# Altium PCB PCB_Rev1.PcbDoc (continued)
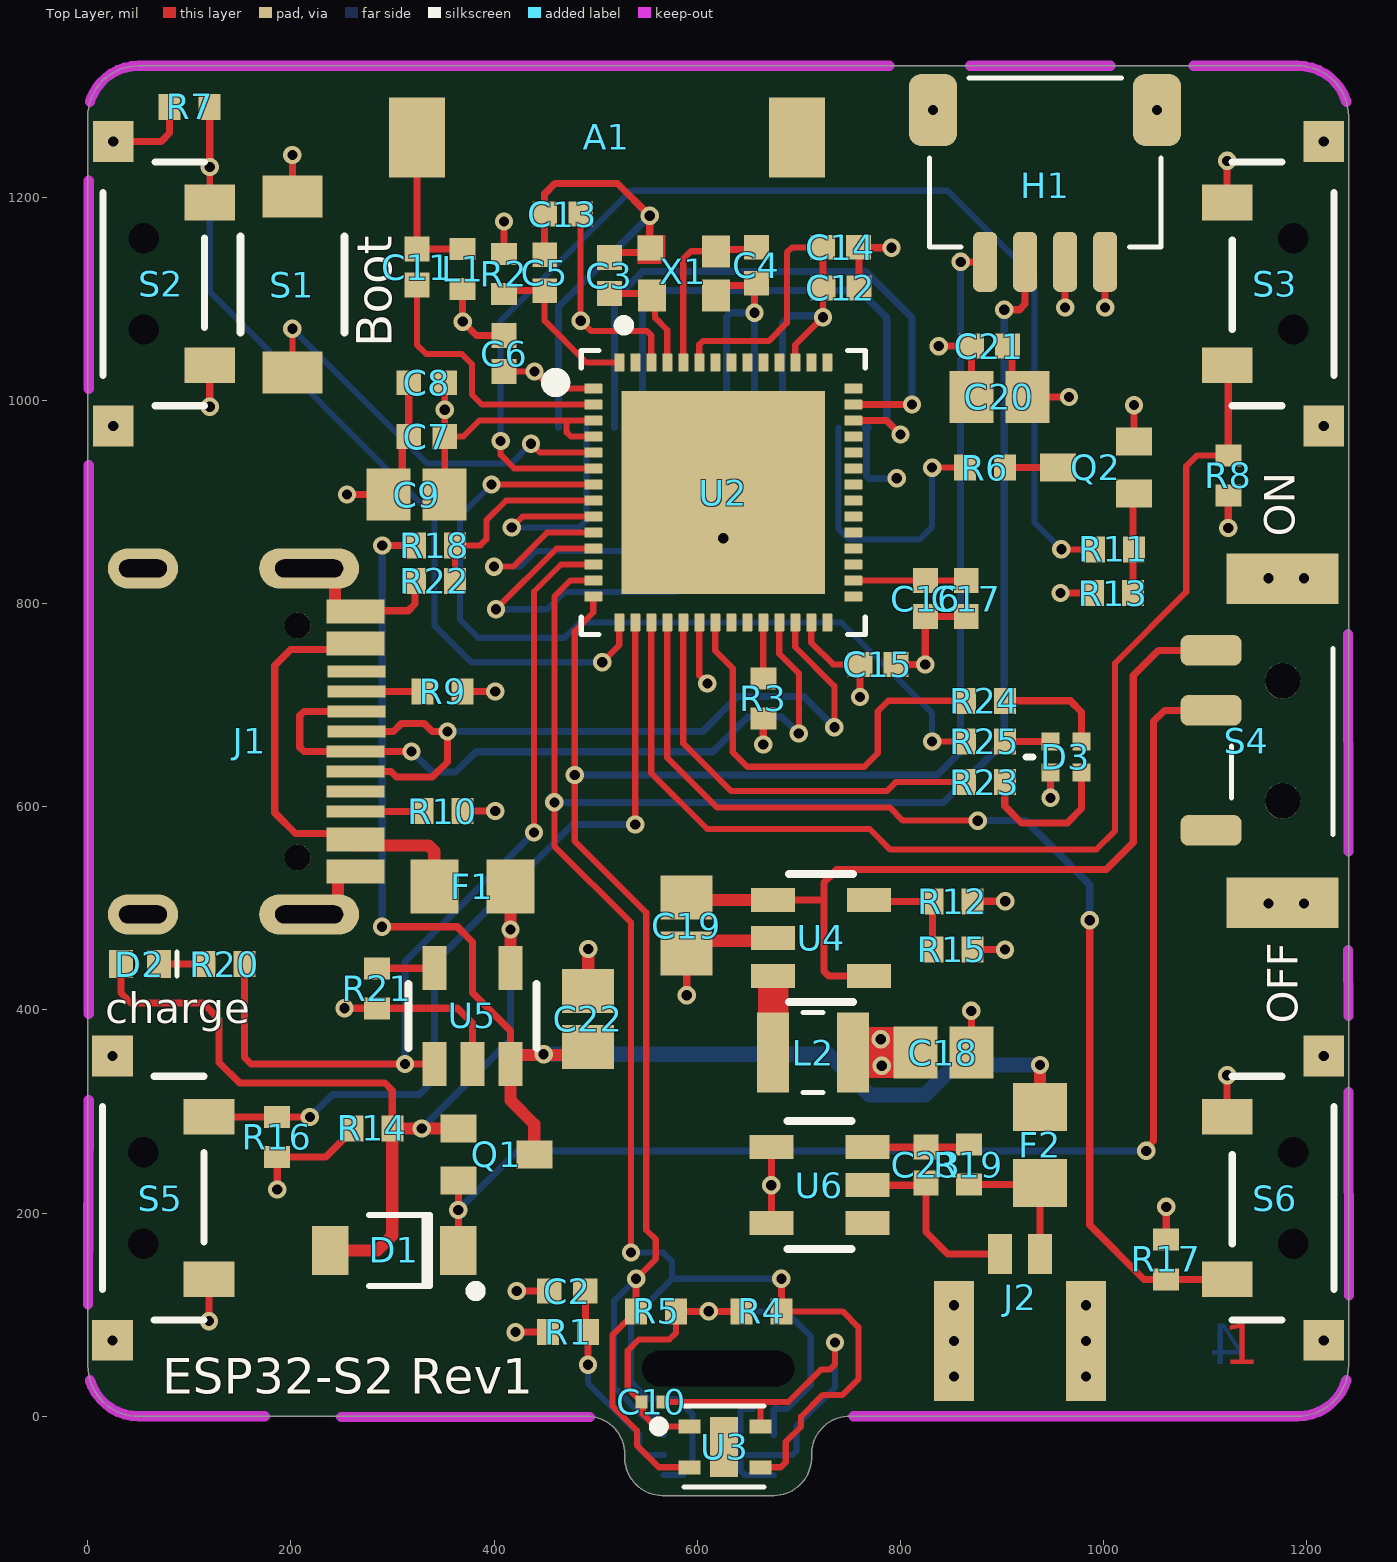
[diagram p0: Top Layer view]
## Footprints (in the part's own frame and the unit in brackets; to place one, negate y for a bottom-side part, rotate by r counter-clockwise, add the part's x,y. Pads: shape width x height; smd on the part's side, far side on the other; paste and mask are expansions set on the pad)
122514 [mil] "DX BUTTON SWITCH R/A"
  rect 35x50 smd: 1(-80,20) 2(80,20)
  rect 40x40 smd: 3(-140,-75) 4(140,-75)
  round 29 hole 30 unplated: ""(-45,-45) ""(45,-45)
  silkscreen extent -120,-85 120,15, body extent -154,-126 154,17, height 134
AN9520-245 [mm] "Antenna Chip"
  rect 2x1.4 smd: 1(0,-4.75) ""(0,4.75)
  body extent -1.05,-4.75 1.05,4.75, height 1.05
CAPC0603X56N [mm] "Chip Capacitor, 2-Leads, Body 0.61x0.3mm, IPC Medium Density (0201 ceramic)"
  rect 0.3x0.32 smd: 1(-0.26,0) 2(0.26,0)
  body extent -0.3,-0.15 0.3,0.15, height 0.3
CAPC1005X56N [mm] "Chip Capacitor, 2-Leads, Body 1.0x0.5mm, IPC Medium Density (0402 ceramic)"
  rect 0.62x0.62 smd: 1(-0.45,0) 2(0.45,0)
  body extent -0.55,-0.3 0.55,0.3, height 0.6
CAPC2012X140N [mm] "Chip Capacitor, 2-Leads, Body 2.0x1.3mm, IPC Medium Density (0805 ceramic)"
  rect 1.1x1.3 smd: 1(-0.7,0) 2(0.7,0)
  body extent -1,-0.62 1,0.63, height 1.24
"DFN-4 (2.0mm X 2.0mm)" [mm] "DFN-4 (2.0mm X 2.0mm)"
  rect 0.55x0.35 smd mask+0.076: 1(-0.889,0.508) 2(-0.889,-0.508) 3(0.889,-0.508) 4(0.889,0.508)
  rect 0.7x1.5 smd paste-0.1 mask+0.076: 7(-0.025,0)
  silkscreen extent -1.78,-1 0.97,1.02, body extent -1.02,-1 0.98,1, height 0.75
FC-B1010RGBT-HG [mm] "LED,RGB,SMD,RoHS"
  rect 0.45x0.45 smd: 1(0.387,0.388) 2(0.387,-0.387) 3(-0.387,-0.387) 4(-0.387,0.388)
  silkscreen extent 0.83,0 1,0, body extent -0.53,-0.55 0.53,0.58, height 0.9
IND_2mmx2mm [mm] "Inductor 2mmx2mm"
  rect 0.8x2 smd: 1(-1,0) 2(1,0)
  silkscreen extent -0.25,-1 0.25,1, body extent -1,-1 1,1, height 1.2
INDC1005X40L [mm] "Chip Inductor, 2-Leads, Body 1.0x0.5mm, IPC Medium Density (0402)"
  rect 0.55x0.65 smd: 1(-0.5,0) 2(0.5,0)
  body extent -0.56,-0.26 0.56,0.26, height 0.65
JST_Micro_2PIN [mm]
  rect 0.6x1 smd: 1(0.5,0) 2(-0.5,0)
  rect 1x3 smd: ""(-1.65,-2.175) ""(1.65,-2.175)
  body extent -1.99,-4.74 2,0.24, height 2.9
K3-1296S-E1 [mil] "Toggle Switches SMD RoHS"
  rrect50% 30x60 smd: 1(89.06,35) 2(30,35) 3(-88.11,35)
  rect 50x110 smd: 4(-159.45,-35.43) 4(159.45,-35.43)
  round 35 hole 35 unplated: ""(-59.06,-35.43) ""(59.06,-35.43)
  silkscreen extent -92,-85 91,15, body extent -157,-149 158,59, height 60
LED1005X40N-Red [mm] "Chip LED 2-Leads, Body 1.0x0.5mm, (0402)"
  rect 0.6x0.7 smd: 1(-0.475,0) 2(0.475,0)
  silkscreen extent -0.92,-0.3 -0.92,0.3, body extent -0.5,-0.3 0.5,0.3, height 0.2
OSC20X16 [mm] "Crystal 2.0mm x 1.60mm 0.5mm height"
  rect 0.7x0.8 smd: 1(-0.783,-0.591) 2(0.817,-0.591) 3(0.817,0.509)
  rect 0.635x0.635 smd: 4(-0.817,0.591)
  Top Layer region: -1.138,0.196 -0.554,0.196 -0.453,0.298 -0.453,0.907 -1.138,0.907
  silkscreen extent -1.61,-1.47 -1.35,-1.21, body extent -1.01,-0.87 1.04,0.78, height 0.4
PTC2012X70L [mm] "Chip Fuse, 2-Leads, Body 2.0x1.3mm, IPC Medium Density (0805)"
  rect 1.2x1.35 smd: 1(-0.95,0) 2(0.95,0)
  body extent -1.07,-0.67 1.08,0.68, height 0.66
"QFN56_0.4mm pitch" [mm] "QFN, 56-Leads, Body 7x7mm, Pitch 0.4mm, IPC Medium Density"
  rrect9% 0.45x0.25 smd: 1(0,0) 2(0,-0.4) 3(0,-0.8) 4(0,-1.2) 5(0,-1.6) 6(0,-2) 7(0,-2.4) 8(0,-2.8) 9(0,-3.2) 10(0,-3.6) 11(0,-4) 12(0,-4.4) 13(0,-4.8) 14(0,-5.2) 29(6.5,-5.2) 30(6.5,-4.8) 31(6.5,-4.4) 32(6.5,-4) 33(6.5,-3.6) 34(6.5,-3.2) 35(6.5,-2.8) 36(6.5,-2.4) 37(6.5,-2) 38(6.5,-1.6) 39(6.5,-1.2) 40(6.5,-0.8) 41(6.5,-0.4) 42(6.5,0)
  rrect9% 0.25x0.45 smd: 15(0.65,-5.85) 16(1.05,-5.85) 17(1.45,-5.85) 18(1.85,-5.85) 19(2.25,-5.85) 20(2.65,-5.85) 21(3.05,-5.85) 22(3.45,-5.85) 23(3.85,-5.85) 24(4.25,-5.85) 25(4.65,-5.85) 26(5.05,-5.85) 27(5.45,-5.85) 28(5.85,-5.85) 43(5.85,0.65) 44(5.45,0.65) 45(5.05,0.65) 46(4.65,0.65) 47(4.25,0.65) 48(3.85,0.65) 49(3.45,0.65) 50(3.05,0.65) 51(2.65,0.65) 52(2.25,0.65) 53(1.85,0.65) 54(1.45,0.65) 55(1.05,0.65) 56(0.65,0.65)
  rect 5.08x5.08 smd paste-4: 57(3.25,-2.6)
  silkscreen extent -1.12,-6.15 6.8,0.95, body extent -0.25,-6.1 6.75,0.9, height 0.8
"RESC1005X40L (0402 FOOTPRINT)" [mm] "Chip Resistor, 2-Leads, Body 1.0x0.5mm, IPC Medium Density (0402)"
  rect 0.55x0.65 smd: 1(-0.5,0) 2(0.5,0)
  body extent -0.57,-0.27 0.58,0.28, height 0.41
SC-70 [mm] "SOT23, 3-Leads, Body 2x1.25mm, Pitch 0.65mm"
  rect 0.9x0.7 smd: 1(-0.95,0.65) 2(-0.95,-0.65) 3(0.95,0)
  body extent -1.2,-1.1 1.2,1.1, height 1
SM04B-SRSS-TB [mm] "CONN HEADER 4POS .100 R/A QWIIC"
  rrect50% 0.6x1.5 smd: 1(1.5,1.9) 2(0.5,1.9) 3(-0.5,1.9) 4(-1.5,1.9)
  rrect50% 1.2x1.8 smd: 5(-2.8,-1.9) 5(2.8,-1.9)
  silkscreen extent -2.9,-2.69 2.9,1.52, body extent -3,-2.69 3,2.26, height 3.25
SOD123 [mil] "Molded Diode, 2-Leads, Body 2.85x1.8mm, IPC Medium Density (SOD123)"
  rect 36x48 smd: 1(-63,0) 2(63,0)
  silkscreen extent -85,-35 25,45, body extent -73,-31 73,31, height 50
SOT95P280X144-5N [mm] "SOT23, 5-Leads, Body 3.1x3.0mm (max), Pitch 0.95mm, IPC Medium Density (RFMD SOT23-5)"
  rect 1.1x0.6 smd: 1(-1.2,0.95) 2(-1.2,0) 3(-1.2,-0.95) 4(1.2,-0.95) 5(1.2,0.95)
  silkscreen extent -0.8,-1.6 0.8,1.6, body extent -1.4,-1.45 1.4,1.45, height 1.45
"TFT_GLASS 1.54 INCH" [mm] "TFT_GLASS 1.54 INCH"
  rect 4x0.3 smd: 1(0,-3.85) 2(0,-3.15) 3(0,-2.45) 4(0,-1.75) 5(0,-1.05) 6(0,-0.35) 7(0,0.35) 8(0,1.05) 9(0,1.75) 10(0,2.45) 11(0,3.15) 12(0,3.85)
  Top Layer lines w0.254: 0,-3.85 0,-3.85
  body extent -9,-15.91 24.73,15.59, height 2
TS-1088R-02526 [mm] "SWITCH TACTILE SPST-NO 0.05A 12V"
  rect 1.05x1.5 smd: 1(-2.2,0) 2(2.2,0)
  silkscreen extent -1.2,-1.3 1.2,1.3, body extent -2.3,-1.5 2.3,1.5, height 2
TYPE-C-31-M-12 [mm] "USB-C Connector"
  oval 1x2.5 hole 0.45 slot 1.7 at 90 deg: 1(-8.65,3.955) 1(0,3.955)
  oval 1x1.75 hole 0.45 slot 1.2 at 90 deg: 1(-8.65,-0.2) 1(0,-0.2)
  rect 0.3x1.45 smd: A1(-7.726,5.119) A4(-6.926,5.117) A5(-5.575,5.142) A6(-4.575,5.142) A7(-4.075,5.117) A8(-3.075,5.117) A9(-1.727,5.117) A12(-0.924,5.117) B1(-1.224,5.117) B4(-2.021,5.117) B5(-2.575,5.117) B6(-3.575,5.117) B7(-5.075,5.142) B8(-6.075,5.142) B9(-6.626,5.117) B12(-7.426,5.119)
  round 0.65 hole 0.65 unplated: ""(-7.225,3.667) ""(-1.425,3.667)
  body extent -8.82,-1.89 0.12,5.01, height 3.31
WSOF-6 [mm] "WSOF-6"
  rect 0.55x0.25 smd: 1(-1.375,0.5) 2(-1.375,0) 3(-1.375,-0.5) 4(1.375,-0.5) 5(1.375,0) 6(1.375,0.5)
  silkscreen extent -2.2,-0.8 0.78,0.8, body extent -1.5,-0.8 1.5,0.8, height 0.75

## Part data
A1: "Antenna Chip 2.4Gig", LCSC_Part_Number=C99665, Manufacturer=Rainsun, Man_Part_Number=AN9520-245, Vendor=LCSC
C1 C10: library part CAP_0201, "CAP 0.1uF 0201", PartFootprint=0402, Vendor=LCSC
C2 C8 C14: library part CAP_0402, "CAP 1uF 0402", Part_Footprint=0402, Vendor=LCSC
C3 C4: library part CAP_0402, "CAP 10pF 0402", Part_Footprint=0402, Vendor=LCSC
C5: library part CAP_0402, "CAP 0.1uF 0402", LCSC_Part_Number=C344190, Manufacturer=CCTC, Man_Part_Number=TCC0402X5R104M160AT, Vendor=LCSC
C6 C7 C12 C13 C15 C16 C17 C21 C23: library part CAP_0402, "CAP 0.1uF 0402", Part_Footprint=0402, Vendor=LCSC
C9 C18 C19: library part CAP_0805, "CAP 10uF 0805"
C11: library part CAP_0402, "CAP 2.5pF 0402", Part_Footprint=0402, Vendor=LCSC
C20: library part CAP_0805, "CAP 10uF 0805", LCSC_Part_Number=C307520, Manufacturer=Samsung, Man_Part_Number=CL21A106KOQNNNG, Vendor=LCSC
C22: library part CAP_0805, "CAP 10uF 0805", Manufacturer=Samsung, PartNumber=C307520, Vendor=LCSC
D1: library part MBR0520-TP, "DIODE SCHOTTKY 20V 500MA SOD123", LCSC_Part_Number=C475717, Manufacturer=CJ, Man_Part_Number=MBR0520, Vendor=LCSC
D2: library part LED_0402_SMALL_Red, "LED Red 0402", Manufacturer=Lite-On, Part_Footprint=0402, Part_Number=C364556, Vendor=LCSC
D3: library part FC-B1010RGBT-HG, "LED,RGB LED,SMD,RoHS", LCSC_Part_Number=C158099, Manufacturer=Foshan, Man_Part_Number=FC-B1010RGBT-HG, Vendor=LCSC
F1 F2: library part PTC_FUSE, "PTC FUSE 500mA hold, 1A trip 0805 SMD", LCSC_Part_Number=C261942, Manufacturer=TLC, Man_Part_Number=TLC-PSMD050, Vendor=LCSC
H1: library part SM04B-SRSS-TB, "CONN HEADER 4POS .100 R/A QWIIC", LCSC_Part_Number=C160404, Manufacturer=JST, PartNumber=SM04B-SRSS-TB(LF)(SN), Man_Part_Number=SM04B-SRSS-TB(LF)(SN), Vendor=LCSC
J1: "CONN RECPT USB-C", Manufacturer=KHE, Part_Footprint=SMT, Part_Number=C165948, Vendor=LCSC
J2: library part JST_Micro_CONN_2PIN, "JST MIcro CONN 2POS"
L1: library part Inductor, "Inductor 4.7nH 0402"
L2: library part Inductor, "Inductor"
Q1: "MOSFET P-CH 20V 1.4A SC-70", LCSC_Part_Number=C172434, Manufacturer=LRC, Man_Part_Number=LP1480WT1G, Part_Footprint=SC-70, Vendor=LCSC
Q2: "TRANSISTOR NPN GP 40V SC-70", LCSC_Part_Number=C54879, Manufacturer=Changjiang, Man_Part_Number=MMST3904, Part_Footprint=SC-70, Vendor=LCSC
R1: library part RES_0402, "RES 1K 0402", Part_Footprint=0402, Vendor=LCSC
R2 R3 R7 R8 R13 R16 R17: library part RES_0402, "RES 10K 0402", LCSC_Part_Number=C258091, Manufacturer=Guangdong, Man_Part_Number=RC-02W1002FT, Vendor=LCSC
  R7 R8 R16 R17: Part_Footprint=0402
R4 R5: library part RES_0402, "RES 4.7K 0402", LCSC_Part_Number=C25900, Manufacturer=Uni-Royal, Man_Part_Number=0402WGF4701TCE, Vendor=LCSC
R6: library part RES_0402, "RES 22R 0402", LCSC_Part_Number=C25092, Manufacturer=Uniroyal, Man_Part_Number=0402WGF220JTCE, Vendor=LCSC
R9 R10: library part RES_0402, "RES 5.1K 0402", Part_Footprint=0402, Vendor=LCSC
R11 R23 R24 R25: library part RES_0402, "RES 1K 0402", LCSC_Part_Number=C106235, Manufacturer=Yageo, Man_Part_Number=RC0402FR-071KL, Vendor=LCSC
R12: library part RES_0402, "RES 90K 0402"
R14: library part RES_0402, "RES 100K 0402", Part_Footprint=0402, Vendor=LCSC
R15: library part RES_0402, "RES 20K 0402"
R18 R22: library part RES_0603, "RES 100K 0402", LCSC_Part_Number=C25741, Manufacturer="Uniroyal Elec", Man_Part_Number=0402WGF1003TCE, Vendor=LCSC
R19: library part RES_0402, "RES 100R 0402", Part_Footprint=0402, Vendor=LCSC
R20 R21: library part RES_0402, "RES 4.7K 0402", Part_Footprint=0402, Vendor=LCSC
S1: library part TS-1088R-02526, "Tactile Micro Switch", Manufacturer=XUNPU, Part_Footprint=SMD, Part_Number=C455281, Vendor=LCSC
S2 S3 S5 S6: library part "Side Actuated Button R/A", "Side Actuated Button R/A", LCSC_Part_Number=C319377, Manufacturer=HYP, Man_Part_Number=1TS002G-2300-3500-CT, Vendor=LCSC
S4: library part K3-1296S-E1, "SWITCH SLIDE SMD", LCSC_Part_Number=C128955, Manufacturer="Korean Hroparts Elec", Man_Part_Number=K3-1296S-E1, Vendor=LCSC
U1: "Optical Sensor Ambient I2C 6-SMD", Manufacturer=Rohm, Part_Footprint=6WSOF, Part_Number=C78960, Vendor=LCSC
U2: "WIFI/Bluetooth, QFN-56 7x7", Manufacturer=Espressif, Part_Footprint=QFN56, Part_Number=C529594, Vendor=LCSC
U3: "Humidity/Temperature Sensor", Manufacturer=Sensirion, Part_Number=SHTC3, Vendor=LCSC
U4: "IC DC SWITCHING REG 1A SOT23-5", Manufacturer=Richtek, PartNumber=RT8096CHGJ5, Vendor=LCSC
U5: "Charger IC Lithium-Ion/Polymer SOT23-5", LCSC_Part_Number=C424093, Manufacturer=Microchip, Man_Part_Number=MCP73831T-2ACI/OT, Part_Footprint=SOT-23-5L, Vendor=LCSC
U6: "IC Battery Protection", LCSC_Part_Number=C80628, Manufacturer=XySemi, Man_Part_Number=XB5353A, Part_Footprint=SOT23-5, Vendor=LCSC
X1: library part 40Mhz, "CRYSTAL 40MHZ 10PF SMD", Manufacturer=ECS, Part_Number=ECS-400-10-37B2-CKM, Vendor=Digi-Key
X2: library part "TFT_GLASS 1.54 INCH COLOR", "1.54 INCH TFT GLASS COLOR", Manufacturer=BuyDisplay, Man_Part_Number=ER-TFT1.54-1, Vendor=BuyDisplay

## Free pads (board coordinates)
  round 10 hole 35 slot 150 at 0 deg unplated: ""(620.5,47)

## Via types
v1: diameter 18, hole 10, Top Layer to Bottom Layer, tented both sides, 106 vias

## Nets (pads, with @x,y where several pads share a name; then routed paths per layer and width w, separated by ;. In a path a pad name is that pad's centre, name@x,y a point inside that pad or via, vN(x,y) a via of type N, cw(c..) or ccw(c..) an arc to the next point about the centre after c; other vN are vias at no path point)
+3.3V: C1.1 C6.1 C7.1 C8.1 C9.1 C10.1 C12.1 C13.1 C14.1 C15.1 C18.1 C20.1 C21.1 D3.1 H1.3 L2.2 R1.1 R2.1 R3.1 R4.2 R5.2 R12.2 S2.2 S3.2 S5.2 S6.2 U1.1 U2.1 U2.3 U2.4 U2.20 U2.27 U2.45 U2.51 U2.54 U3.1 X2.3 X2.4 | length 2369.6
  Top Layer w6: C9.1 C7.1 ; C8.1 v1(351.32,990.76) C7.1 ; C6.1@410.57,1028.31 v1(439.68,1028.31) 456.41,1011.59 U2.1 ; C13.1 v1(485.12,1078.31) 495.12,1068.31 550.12,1068.31 554.58,1063.84 U2.54 ; U2.4 475.42,964.34 471.32,968.44 471.32,980.09 ; U2.3 471.32,980.09 ; C10.1@541.88,17.17 531.48,27.57 531.48,64.67 542.53,75.71 572.53,75.71 579.06,82.24 R5.2 ; C10.1@542.08,17.36 544.06,15.38 C10.1@544.06,14.99 ; C10.1 C10.1@544.06,14.99 ; U3.1 558.68,-10.18 546.18,2.33 546.18,12.87 C10.1@544.06,14.99 ; U2.20 601.83,729.26 v1(609.82,721.27) ; U2.51 601.83,1054.81 605.34,1058.33 670.14,1058.33 688.14,1076.33 688.14,1145.55 693.14,1150.55 C14.1 ; U2.45 696.32,1054.51 v1(723.58,1081.76) C12.1 ; U2.27 712.06,761.43 733.49,740 C15.1 ; C7.1 369.67,964.34 385.42,980.09 471.32,980.09
  Top Layer w7: v1(119.35,93.67) S5.2@119.35,124.67 ; v1(120,993.67) S2.2@120,1024.67 ; R2.1@409.72,1143.78 v1(409.72,1175.88) ; v1(420.89,82.82) R1.1 ; R5.2 v1(611.15,103.31) R4.2 ; v1(664.82,661.27) R3.1 ; C14.1 723.58,1150.12 C12.1 ; v1(760,707.9) C15.1 ; v1(837.59,1053.31) C21.1 C20.1 ; R12.2 v1(903.01,506.89) ; v1(947.53,608.71) D3.1 ; v1(961.95,1091.23) H1.3 ; S6.2@1121.45,304.67 v1(1121.45,335.67) ; S3.2@1121.45,1204.67 v1(1121.45,1235.67)
  Bottom Layer w6: v1(611.15,103.31) 686.93,103.31 711.53,78.71 711.53,30.61 687.98,7.07 C1.1@675.13,7.07 ; U1.1 C1.1@675.13,7.07 ; C1.1@676.95,9.03 C1.1 C1.1@675.13,7.07
  Bottom Layer w7: X2.3 711.18,973.07 711.18,883.19 706.18,878.19 687.84,878.19 683.74,882.29 X2.4 683.74,1075.75 691.18,1083.19 722.15,1083.19 v1(723.58,1081.76)
  other v1: 781.48,345.02 780.48,371.02
+3.3V_VDD_SPI: C16.1 C17.1 U2.30 | length 111.2
  Top Layer w6: U2.30 C16.1 C17.1
BLUE: R23.2 U2.19 | length 432.2
  Top Layer w6: U2.19 586.08,662.38 633.19,615.27 786.19,615.27 795.14,624.22 R23.2 863.16,622.25 R23.2@855.33,614.43
BUTTON_1: R7.1 S2.1 U2.15 | length 864.1
  Top Layer w6: S2.1 v1(120,1229.67) ; v1(506.32,742.18) 523.09,758.95 U2.15
  Top Layer w7: R7.1 120,1288.71 v1(120,1229.67)
  Bottom Layer w6: v1(120,1229.67) 120,1106.72 341.2,885.52 341.2,778.48 377.5,742.18 v1(506.32,742.18)
  Bottom Layer w7: v1(506.32,742.18) v1@507.21,742.18
BUTTON_2: R8.1 S3.1 U2.17 | length 1166.3
  Top Layer w6: U2.17 554.58,632.92 609.48,578.02 769.48,578.02 789.48,558.02 992.8,558.02 1011.2,576.42 1011.2,741.42 1081.2,811.42 1081.2,935.17 1091.87,945.84 R8.1
  Top Layer w7: S3.1 1122.5,1033.62 R8.1
BUTTON_3: R16.1 S5.1 U2.16 | length 804.7
  Top Layer w6: v1(538.84,582.37) U2.16
  Top Layer w7: S5.1 R16.1 v1(218.54,294.67)
  Bottom Layer w7: v1(218.54,294.67) 240.7,316.83 326.2,316.83 341.2,331.83 341.2,446.42 477.16,582.37 v1(538.84,582.37)
BUTTON_4: R17.1 S6.1 U2.18 | length 1093.2
  Top Layer w6: U2.18 570.33,648.13 619.19,599.27 789.19,599.27 802.24,586.22 v1(876,586.22)
  Top Layer w7: v1(986.18,488.19) 986.18,188.19 1039.7,134.67 R17.1 S6.1
  Bottom Layer w7: v1(876,586.22) 923.15,586.22 986.18,523.19 v1(986.18,488.19)
CHG: R20.1 U2.12 U5.1 | length 859.6
  Top Layer w6: v1(439.19,574.67) 439.19,811.79 465.76,838.36 U2.12
  Top Layer w7: R20.1@154.19,436.27 154.19,353.12 160.48,346.83 v1(312.2,346.83) U5.1
  Bottom Layer w7: v1(312.2,346.83) 312.2,447.67 v1(439.19,574.67)
D+: J1.A6 J1.B6 U2.26 | length 751.5
  Top Layer w6: U2.26 696.32,757.18 734.82,718.67 v1(734.82,678.11)
  Top Layer w7: J1.B6 298.35,634.7 303.98,629.07 338.98,629.07 353.98,644.07 v1(353.98,674.07) 338.98,674.07 330.98,682.07 308.98,682.07 300.98,674.07 J1.A6
  Bottom Layer w7: v1(353.98,674.07) 605.29,674.07 639.53,708.31 704.63,708.31 v1(734.82,678.11)
D-: J1.A7 J1.B7 U2.25 | length 736.5
  Top Layer w6: U2.25 680.57,750.52 699.82,731.27 v1(699.82,672.04)
  Top Layer w7: J1.B7 212.77,693.75 208.67,689.65 208.67,658.48 212.77,654.38 J1.A7 v1(318.67,654.38)
  Bottom Layer w7: v1(318.67,654.38) 338.98,634.07 361.98,634.07 381.98,654.07 615.29,654.07 649.53,688.31 683.32,688.31 699.59,672.04 v1(699.82,672.04)
DC: U2.11 X2.7 | length 475.9
  Top Layer w6: v1(401.75,794.35) 461.5,854.1 U2.11
  Bottom Layer w6: v1(401.75,794.35) 452.27,794.35 469.19,811.27 579.19,811.27 601.06,833.14 X2.7
GND: C1.2 C2.2 C3.2 C4.2 C5.2 C6.2 C7.2 C8.2 C9.2 C10.2 C12.2 C13.2 C14.2 C15.2 C16.2 C17.2 C18.2 C19.2 C20.2 C21.2 C22.2 H1.4 H1.5 J1.1 J1.A1 J1.A12 J1.B1 J1.B12 J2. L1.2 Q2.2 R7.2 R8.2 R9.1 R10.1 R13.2 R14.2 R15.1 R16.2 R17.2 R21.2 R22.2 S1.2 S2.3 S2.4 S3.3 S3.4 S4.4 S5.3 S5.4 S6.3 S6.4 U1.2 U1.3 U2.57 U3.4 U4.2 U5.2 U6.4 U6.5 X1.2 X1.4 X2.1 X2.5 X2.6 X2.12 | length 3063.7
  Top Layer w6: C10.2 661.98,14.07 ; U3.4 661.98,14.07 ; v1@733.85,71.03 v1(735.53,72.71) 735.53,51.07 730.48,46.02 721.48,46.02 689.53,14.07 661.98,14.07
  Top Layer w7: v1(25,1254.67) 72.26,1254.67 80.54,1262.95 R7.2 ; v1(186.45,223.21) R16.2 234.28,255.3 260.31,281.34 R14.2 ; S1.2@201.32,1210.4 v1(201.32,1241.4) ; v1(252.73,401.58) R21.2 363.84,401.58 378.6,386.83 U5.2@378.6,356.83 ; v1(255.2,907.18) C9.2@286.2,907.18 ; J1.A1@266.48,792.82 315.41,792.82 321.95,799.36 R22.2 ; C9.2 309.48,920.46 309.48,957.94 C7.2 C8.2@315.88,1012.18 ; R10.1 v1(400.98,595.7) ; R9.1 v1(401.08,713.44) ; L1.2 v1(368.99,1077.41) ; v1@373.2,1077.41 v1(368.99,1077.41) ; C6.2 382.67,1063.74 v1(368.99,1077.41) ; v1(422.16,123.31) C2.2 ; C5.2 C13.2 449.68,1203.31 459.68,1213.31 521.39,1213.31 v1(553.14,1181.55) X1.4@553.14,1151.55 ; C3.2@516.38,1145.55 X1.4@553.5,1145.55 ; v1(589.48,414.46) C19.2@589.48,445.46 ; X1.2@613.5,1105 621.38,1112.87 C4.2@658.14,1112.87 ; v1(656.18,1086.19) 656.18,1110.91 C4.2@658.14,1112.87 ; C4.2 C4.2@658.14,1112.87 ; U6.5 v1(672.76,227.45) U6.4 ; C14.2 C14.2@759.01,1150.12 ; C12.2 C14.2@759.01,1150.12 ; v1(791.1,1150.12) C14.2@759.01,1150.12 ; C15.2@797.45,742.02 C15.2 v1(824.32,740) 824.32,786.86 C16.2 C17.2 ; C18.2@869.6,368.02 v1(869.6,399.02) ; R15.1 v1(902.72,459.33) ; C21.2 909.8,1048.62 909.8,1004.31 C20.2@911.8,1002.31 ; C20.2@934.8,1003.31 v1(965.8,1003.31) ; v1(957.32,810.31) R13.2 ; v1(1001.32,1091.23) H1.4 ; Q2.2 v1(1029.68,995.24) ; R17.2 v1(1061.45,206.14) ; v1(1122.5,874.37) R8.2
  Top Layer w12: J1.A1@243.39,792.22 J1.1@243.39,833.54 ; J1.1@246.39,494.54 J1.B1@246.39,536.54 ; C22.2@492.53,428.83 v1(492.53,459.83) ; C19.2@602.95,468.02 U4.2@674.48,468.02
  Top Layer w20: J1.B1@246.39,536.54 J1.B1@271.39,536.54 ; J1.A1@253.98,792.82 J1.A1@266.48,792.82
  Bottom Layer w6: 644.24,-38 U1.2 693.43,-38 697.53,-33.9 697.53,-9.39 735.53,28.61 v1(735.53,72.71) ; C1.2 643.98,7.07 642.53,5.61 642.53,-53.58 646.63,-57.68 U1.3
  Bottom Layer w7: X2.12 463.27,1091.68 v1(553.14,1181.55) ; X2.6 628.62,1082.09 632.72,1086.19 v1(656.18,1086.19) X2.5 ; X2.1 766.42,925.6 768.82,923.19 v1(796.18,923.19)
  other v1: 852.61,39.22 982.53,39.22 24.35,74.67 852.61,74.22 982.53,74.22 1216.45,74.67 852.61,109.22 982.53,109.22 24.35,354.67 1216.45,354.67 1161.98,504.82 1196.98,504.82 1161.98,824.82 1196.98,824.82 625.45,864.22 25,974.67 1216.45,974.67 1216.45,1254.67 832.03,1285.84 1052.5,1285.84
GPIO0: S1.1 U2.5 | length 397.9
  Top Layer w6: S1.1@201.32,1037.18 v1(201.32,1070.4) ; v1@437.25,957.18 v1(436.32,957.18) 444.9,948.59 U2.5
  Bottom Layer w6: v1(201.32,1070.4) 334.05,937.67 416.81,937.67 v1@434.69,955.55 ; v1@436.32,953.93 v1(436.32,957.18)
GPIO3: R18.2 R22.1 U2.8 | length 200.5
  Top Layer w6: R22.1 R18.2 386.32,857.18 392.25,863.11 392.25,881.92 411.68,901.35 U2.8
GPIO18: R3.2 U2.24 | length 55
  Top Layer w6: R3.2 U2.24
GREEN: R24.2 U2.21 | length 420
  Top Layer w6: U2.21 617.58,753.51 634.82,736.27 634.82,653.64 649.19,639.27 764.19,639.27 777.53,652.61 777.53,693.71 788.04,704.22 R24.2
LCD_BL: R11.1 U2.6 | length 1153.2
  Top Layer w6: v1(406.32,959.85) 406.32,946.19 419.66,932.84 U2.6 ; v1(958.22,853.31) R11.1
  Bottom Layer w6: v1(406.32,959.85) 406.32,1078.33 534.22,1206.23 846.32,1206.23 931.98,1120.56 931.98,879.54 v1(958.22,853.31)
NetA1_1: A1.1 C11.1 L1.1 | length 155
  Top Layer w7: A1.1 C11.1 L1.1
NetC2_1: C2.1 R1.2 U1.5 | length 202
  Top Layer w7: R1.2@489.68,83.31 C2.1 ; v1(492.35,50.73) R1.2
  Bottom Layer w6: v1(492.35,50.73) 492.35,32.15 542.53,-18.02 542.53,-31.29 549.24,-38 U1.5
NetC5_1: C5.1 R2.2 U2.56 | length 161.5
  Top Layer w6: C5.1 449.68,1078.31 490.82,1037.18 U2.56
  Top Layer w7: R2.2 412.75,1107.87 C5.1
NetC11_2: C11.2 U2.2 | length 274.2
  Top Layer w6: C11.2 323.99,1054.7 333.14,1045.55 368.14,1045.55 378.14,1035.55 378.14,1005.55 387.86,995.84 U2.2
NetC19_1: C19.1 S4.1 U4.1 U4.4 | length 846.8
  Top Layer w7: C19.1 C19.1@603.17,524.27 ; U4.1 724.48,508.02 ; U4.4 729.29,433.22 724.48,438.02 724.48,508.02 ; S4.1 1053.66,753.88 1028.98,729.2 1028.98,564.62 1002.39,538.02 737.19,538.02 731.2,532.03 727.84,528.67 724.48,525.31 724.48,508.02
  Top Layer w12: C19.1@602.95,508.02 U4.1
NetC23_1: C23.1 R19.2 U6.3 | length 101.1
  Top Layer w7: U6.3 864.65,264.85 R19.2
NetC23_2: C23.2 J2.2 U6.2 | length 188.9
  Top Layer w7: U6.2 822.73,227.45 C23.2 825.01,181.23 846.39,159.85 J2.2
NetD1_1: D1.1 Q1.2 S4.2 | length 1256.9
  Top Layer w7: D1.1 v1(364.68,203.13) Q1.2 ; v1(1041.83,261.22) 1041.83,263.67 1048.98,270.82 1048.98,684.07 1059.74,694.82 S4.2
  Bottom Layer w7: v1(364.68,203.13) 422.78,261.22 v1(1041.83,261.22)
NetD2_1: D2.1 R20.2 | length 45
  Top Layer w7: D2.1 R20.2
NetD3_2: D3.2 R25.1 | length 45
  Top Layer w7: R25.1 D3.2
NetD3_3: D3.3 R24.1 | length 109.1
  Top Layer w7: R24.1 967.02,704.22 978.04,693.2 D3.3
NetD3_4: D3.4 R23.1 | length 147.4
  Top Layer w7: R23.1 902.53,600.52 918.98,584.07 963.98,584.07 978.04,598.12 D3.4
NetF1_2: F1.2 J1.A4 J1.A9 J1.B4 J1.B9 | length 484
  Top Layer w7: J1.B4 246.98,573.52 204.53,573.52 183.98,594.07 183.98,739.07 199.74,754.82 245.98,754.82 J1.B9
  Top Layer w12: J1.A9 271.98,561.92 335.39,561.92 341,556.31 F1.2
  Top Layer w20: J1.A4@245.98,760.82 J1.A4@270.98,760.82 ; J1.B4@246.98,567.82 263.63,567.82 J1.B4@271.98,567.82
NetF2_1: F2.1 J2.1 R19.1 | length 154.9
  Top Layer w7: R19.1 925.48,228.08 937.25,239.85 J2.1
NetJ1_A5: J1.A5 R9.2 | length 119.1
  Top Layer w7: 318.75,713.44 J1.A5 R9.2
NetJ1_B5: J1.B5 R10.2 | length 120.2
  Top Layer w7: 317.76,595.33 J1.B5 329.14,595.33 R10.2
NetL2_1: L2.1 U4.3
NetQ2_1: Q2.1 R11.2 R13.1 | length 98.4
  Top Layer w7: R13.1 1028.79,907.41 Q2.1
NetQ2_3: Q2.3 R6.2 | length 52.4
  Top Layer w7: R6.2 902.71,933.9 Q2.3
NetR6_1: R6.1 X2.2 | length 292
  Top Layer w6: v1(831.06,933.71) R6.1
  Bottom Layer w6: X2.2 738.86,873.45 749.48,862.82 818.57,862.82 831.06,875.32 v1(831.06,933.71)
NetR12_1: R12.1 R15.2 U4.5 | length 110.6
  Top Layer w7: U4.5 770.4,506.6 R12.1@831.26,506.6 ; R15.2 R12.1@831.26,506.6 ; R12.1 R12.1@831.26,506.6
NetR21_1: R21.1 U5.5 | length 56.5
  Top Layer w7: R21.1 340.83,440.95 U5.5
RED: R25.2 U2.7 | length 821.2
  Top Layer w6: v1(397.43,917.1) U2.7 ; v1(831.06,664.22) R25.2
  Bottom Layer w6: v1(397.43,917.1) 366.2,885.87 366.2,784.26 384.19,766.27 469.19,766.27 484.19,781.27 741.76,781.27 831.06,691.96 v1(831.06,664.22)
RST: U2.9 X2.11 | length 252.7
  Top Layer w6: v1(417.25,874.85) 428,885.6 U2.9
  Bottom Layer w6: v1(417.25,874.85) 484.22,874.85 490.83,881.46 X2.11
SCL: H1.1 R5.1 U1.6 U2.14 U3.2 | length 2050.4
  Top Layer w6: U2.14 497.5,791.12 479.26,772.88 479.26,566.2 549.68,495.78 549.68,183.36 558.98,174.07 558.98,154.7 v1(539.68,135.4) ; R5.1 516.48,80.11 516.48,10.02 540.48,-13.98 540.48,-28.68 561.98,-50.18 U3.2
  Top Layer w7: R5.1 v1(539.68,135.4) ; v1(859.15,1136.23) H1.1
  Bottom Layer w6: v1(539.68,135.4) 517.98,113.7 517.98,28.52 547.79,-1.29 561.2,-1.29 566.87,-6.95 U1.6
  Bottom Layer w7: v1(479.26,631.2) 836.12,631.2 859.15,654.23 v1(859.15,1136.23)
SDA: H1.2 R4.1 U1.4 U2.13 U3.3 | length 2437.3
  Top Layer w6: U2.13 475.01,822.61 459.19,806.79 459.19,561.27 534.68,485.78 v1(534.68,161.22) ; U3.3 681.98,-50.18 686.98,-45.18 686.98,-25.18 701.98,-10.18 701.98,-0.48 723.53,21.07 742.98,21.07 758.53,36.61 758.53,87.71 742.93,103.31 R4.1
  Top Layer w7: R4.1 v1(682.62,135.4) ; v1(901.98,1089.07) 916.98,1089.07 922.58,1094.66 H1.2
  Bottom Layer w6: v1(534.68,161.22) 566,161.22 575.18,152.03 575.18,135.4 ; U1.4 586.13,-57.68 594.98,-48.83 594.98,2.07 579.98,17.07 551.44,17.07 534.48,34.02 534.48,94.7 575.18,135.4 ; v1(682.62,135.4) 575.18,135.4
  Bottom Layer w7: v1(459.19,604.27) 842.26,604.27 901.98,663.99 v1(901.98,1089.07)
SPI_CLK: U2.40 X2.9 | length 549.5
  Top Layer w7: U2.40 786,980.09 v1(799.82,966.27)
  Bottom Layer w7: X2.9 545.95,1091.58 562.56,1108.19 759.36,1108.19 786.32,1081.23 786.32,979.77 v1(799.82,966.27)
SPI_MOSI: U2.41 X2.10 | length 592.5
  Top Layer w7: U2.41 v1(811.32,995.84)
  Bottom Layer w7: X2.10 518.39,1099.02 546.2,1126.83 765.72,1126.83 811.32,1081.23 v1(811.32,995.84)
TFT_CS: U2.10 X2.8 | length 405.9
  Top Layer w6: v1(399.82,836.27) 418.67,836.27 452.25,869.85 U2.10
  Bottom Layer w6: v1(399.82,836.27) 425.64,836.27 441.2,851.83 561.2,851.83 573.5,864.14 X2.8
VBAT: C22.1 F2.2 Q1.3 R18.1 U5.3 | length 1381.8
  Top Layer w7: v1(289.6,481.83) 363.6,481.83 378.6,466.83 378.6,416.83 416,379.43 U5.3@416,347.39 ; v1(289.85,857.18) R18.1 ; U5.3 U5.3@416,347.39 ; U5.3@424.31,355.7 U5.3@416,347.39 ; C22.1@484.51,355.7 C22.1 ; F2.2@927.9,305.31 F2.2@937.25,314.66
  Top Layer w12: U5.3 416,310.99 439.49,287.5 Q1.3 ; U5.3@424.31,355.7 C22.1@484.51,355.7 ; F2.2@937.25,314.66 v1(937.25,345.66)
  Bottom Layer w7: v1@289.85,481.83 v1(289.85,857.18)
  Bottom Layer w15: v1(448.68,356.31) 729.15,356.31 769.19,316.27 824.19,316.27 853.58,345.66 v1(937.25,345.66)
VUSB: D1.2 D2.2 F1.1 Q1.1 R14.1 U5.4 | length 947
  Top Layer w7: D2.2 32.6,416.77 42.62,406.75 113.25,406.75 129.19,390.81 129.19,348.31 149.48,328.02 292.44,328.02 299.68,320.78 R14.1 ; F1.1 F1.1@416,521.12
  Top Layer w12: D1.2 284.97,163.31 299.68,178.03 R14.1 v1(328.68,283.31) Q1.1 ; U5.4 v1(416,479.22) F1.1@416,521.12
  Bottom Layer w7: v1(328.68,283.31) 416,370.62 v1(416,479.22)
XTAL_N: C4.1 U2.52 X1.3 | length 178.2
  Top Layer w6: U2.52 586.08,1139.2 593.56,1146.68 X1.3@611.87,1146.68
  Top Layer w7: X1.3@611.87,1146.68 613.5,1148.31 C4.1@658.5,1148.31
XTAL_P: C3.1 U2.53 X1.1 | length 119.9
  Top Layer w6: X1.1@558.38,1105 558.38,1081.12 570.33,1069.17 U2.53
  Top Layer w7: C3.1 558.38,1105 X1.1@559.88,1103.5
pads on no net: A1. J1. J1.A8 J1.B8 S2. S3. S4. S4.3 S5. S6. U2.22 U2.23 U2.28 U2.29 U2.31 U2.32 U2.33 U2.34 U2.35 U2.36 U2.37 U2.38 U2.39 U2.42 U2.43 U2.44 U2.46 U2.47 U2.48 U2.49 U2.50 U2.55 U3.7 U6.1

## Polygon pours and split planes (outlines as drawn)
GND on Layer 1 (split plane): 1195.69,1308.85 1200.27,1307.75 1204.62,1305.95 1208.63,1303.49 1212.21,1300.43 1215.27,1296.85 1217.72,1292.84 1219.53,1288.49 1220.62,1283.91 1220.94,1279.87 1220.9,1279.5 1220.9,1279.27 1220.91,1279.25 1220.9,1279.22 1220.9,50.43 1220.91,50.39 1220.96,49.87 1220.62,45.58 1219.51,40.96 1217.69,36.56 1215.2,32.5 1212.11,28.89 1208.5,25.8 1204.44,23.31 1200.04,21.49 1195.42,20.38 1191.31,20.06 1190.89,20.1 747.5,20.1 746.01,19.95 743.54,19.81 737.17,18.73 730.95,16.94 724.98,14.46 719.32,11.33 714.04,7.59 710,3.98 710,75 525,75 525,8.98 521.68,11.33 516.02,14.46 510.05,16.94 503.83,18.73 497.46,19.81 495,19.95 493.5,20.1 50.1,20.1 49.55,20.04 45.31,20.38 40.73,21.48 36.38,23.28 32.37,25.74 28.79,28.79 25.74,32.37 23.28,36.38 21.48,40.73 20.38,45.31 20.06,49.37 20.1,49.78 20.1,1279.12 20.04,1279.67 20.38,1283.92 21.48,1288.49 23.28,1292.84 25.74,1296.85 28.79,1300.43 32.37,1303.49 36.38,1305.95 40.73,1307.75 45.31,1308.85 49.36,1309.17 49.75,1309.13 49.98,1309.13 49.99,1309.13 50,1309.13 261.32,1309.13 261.32,1197.18 261.32,1040.13 371.32,1040.13 371.32,1197.18 766.32,1197.18 766.32,1309.13 1190.9,1309.13 1190.94,1309.13 1191.45,1309.18
+3.3V on Layer 2 (split plane): 1195.69,1308.85 1200.27,1307.75 1204.62,1305.95 1208.63,1303.49 1212.21,1300.43 1215.27,1296.85 1217.72,1292.84 1219.53,1288.49 1220.62,1283.91 1220.94,1279.87 1220.9,1279.5 1220.9,1279.27 1220.91,1279.25 1220.9,1279.22 1220.9,50.43 1220.91,50.39 1220.96,49.87 1220.62,45.58 1219.51,40.96 1217.69,36.56 1215.2,32.5 1212.11,28.89 1208.5,25.8 1204.44,23.31 1200.04,21.49 1195.42,20.38 1191.31,20.06 1190.89,20.1 747.5,20.1 746.01,19.95 743.54,19.81 737.17,18.73 730.95,16.94 724.98,14.46 719.32,11.33 714.04,7.59 710,3.98 710,75 525,75 525,8.98 521.68,11.33 516.02,14.46 510.05,16.94 503.83,18.73 497.46,19.81 495,19.95 493.5,20.1 50.1,20.1 49.55,20.04 45.31,20.38 40.73,21.48 36.38,23.28 32.37,25.74 28.79,28.79 25.74,32.37 23.28,36.38 21.48,40.73 20.38,45.31 20.06,49.37 20.1,49.78 20.1,1279.12 20.04,1279.67 20.38,1283.92 21.48,1288.49 23.28,1292.84 25.74,1296.85 28.79,1300.43 32.37,1303.49 36.38,1305.95 40.73,1307.75 45.31,1308.85 49.36,1309.17 49.75,1309.13 49.98,1309.13 49.99,1309.13 50,1309.13 261.32,1309.13 261.32,1199.22 261.32,1042.18 371.32,1042.18 371.32,1199.22 766.32,1199.22 766.32,1309.13 1190.9,1309.13 1190.94,1309.13 1191.45,1309.18

## Keep-outs
Keep-Out Layer:
  lines w10: 0.1,110.22 1,311.22 ; 1,396.22 1,936.22 ; 1,1011.22 1,1216.22 ; 2.02,1293.62 cw(c49.9,1279.22) 50.01,1329.22 789.14,1329.22 ; 2.12,35.61 ccw(c50,50) 50.1,0 174.1,0 ; 249.1,-0.78 494.1,-0.78 ; 753.48,0 1190.89,0 ccw(c1190.99,50) 1238.88,35.61 ; 868.48,1329.22 1006.48,1329.22 ; 1088.48,1329.22 1190.9,1329.22 cw(c1191,1279.22) 1238.88,1293.62 ; 1240.48,459.02 1241,394.22 ; 1240.48,770.02 1241,556.02 ; 1241,319.22 1241.48,119.02

## Other copper
Top Layer:
  rectangle net NetL2_1: 659.48,368.02 689.48,443.02
  rectangle net +3.3V: 749.48,333.02 819.48,383.02
  text "1" at 1118,51 h40
Bottom Layer:
  text "4" at 1138,51 h40
Layer 1 (plane layer: these items are gaps in the copper):
  pour cut-out: 261.32,1207.02 261.32,1040.13 371.32,1040.13 371.32,1207.02
  pour cut-out: 261.32,1327.18 261.32,1197.18 766.32,1197.18 766.32,1327.18
  pour cut-out: 525,-80 710,-80 710,75 530,75 525,75
  text "2" at 1110,51 h40
Layer 2 (plane layer: these items are gaps in the copper):
  pour cut-out: 525,-80 710,-80 710,75 530,75 525,75
  pour cut-out: 261.32,1209.07 261.32,1042.18 371.32,1042.18 371.32,1209.07
  pour cut-out: 261.32,1329.22 261.32,1199.22 766.32,1199.22 766.32,1329.22
  text "3" at 1110,51 h40

## Silkscreen, mask and mechanical layers (free items; w line width, h text height)
Top Overlay:
  text "Boot" at 299.32,1052.4 h35 r90
  text "charge" at 17,387 h30
  text "ESP32-S2 Rev1" at 73.32,22.4 h35
Bottom Overlay:
  drawing of 540 lines, arcs and shapes, not listed
  text "@mikerankin" at 864.92,449 h35
Mechanical 1:
  lines w10: 0,49.78 ccw(c50,50) 50.1,0 493.5,0 cw(c491,-37.5) 528.58,-38 ; 0,50.22 0,1279.12 cw(c50,1279.22) 49.78,1329.22 ; 50,1329.22 1190.9,1329.22 cw(c1191,1279.22) 1241,1279.44 ; 528.45,-39 ccw(c566,-40.5) 568.5,-78 ; 569,-78 621.5,-78 ; 620.5,-78 673,-78 ; 672.34,-78 ccw(c674.84,-40.5) 712.39,-39 ; 712.45,-39 cw(c750,-37.5) 747.5,0 1190.89,0 ccw(c1190.67,50.33) 1241,50.43 1241,1279.22
Mechanical 5:
  lines w5: 1059,657 1059,561 1175,561 1175,658 1060,658 ; 635,100 635,205 790,205 790,100 635,100 ; 860,385 860,504 1032,504 1032,385 860,385
  text "J2" at 702,145 h15

## Text inside footprints (layer, text, board x,y; h text height)
S4: Top Overlay "ON" at 1187.81,865.61 h30 r90; Top Overlay "OFF" at 1190.76,386.28 h30 r90
X2: Bottom Overlay "1" at 833.35,973.19 h35 r90; Bottom Overlay "12" at 428.06,998.19 h35 r90